# Altium PCB fastic-readout.PcbDoc (part 5 of 6) (continued)
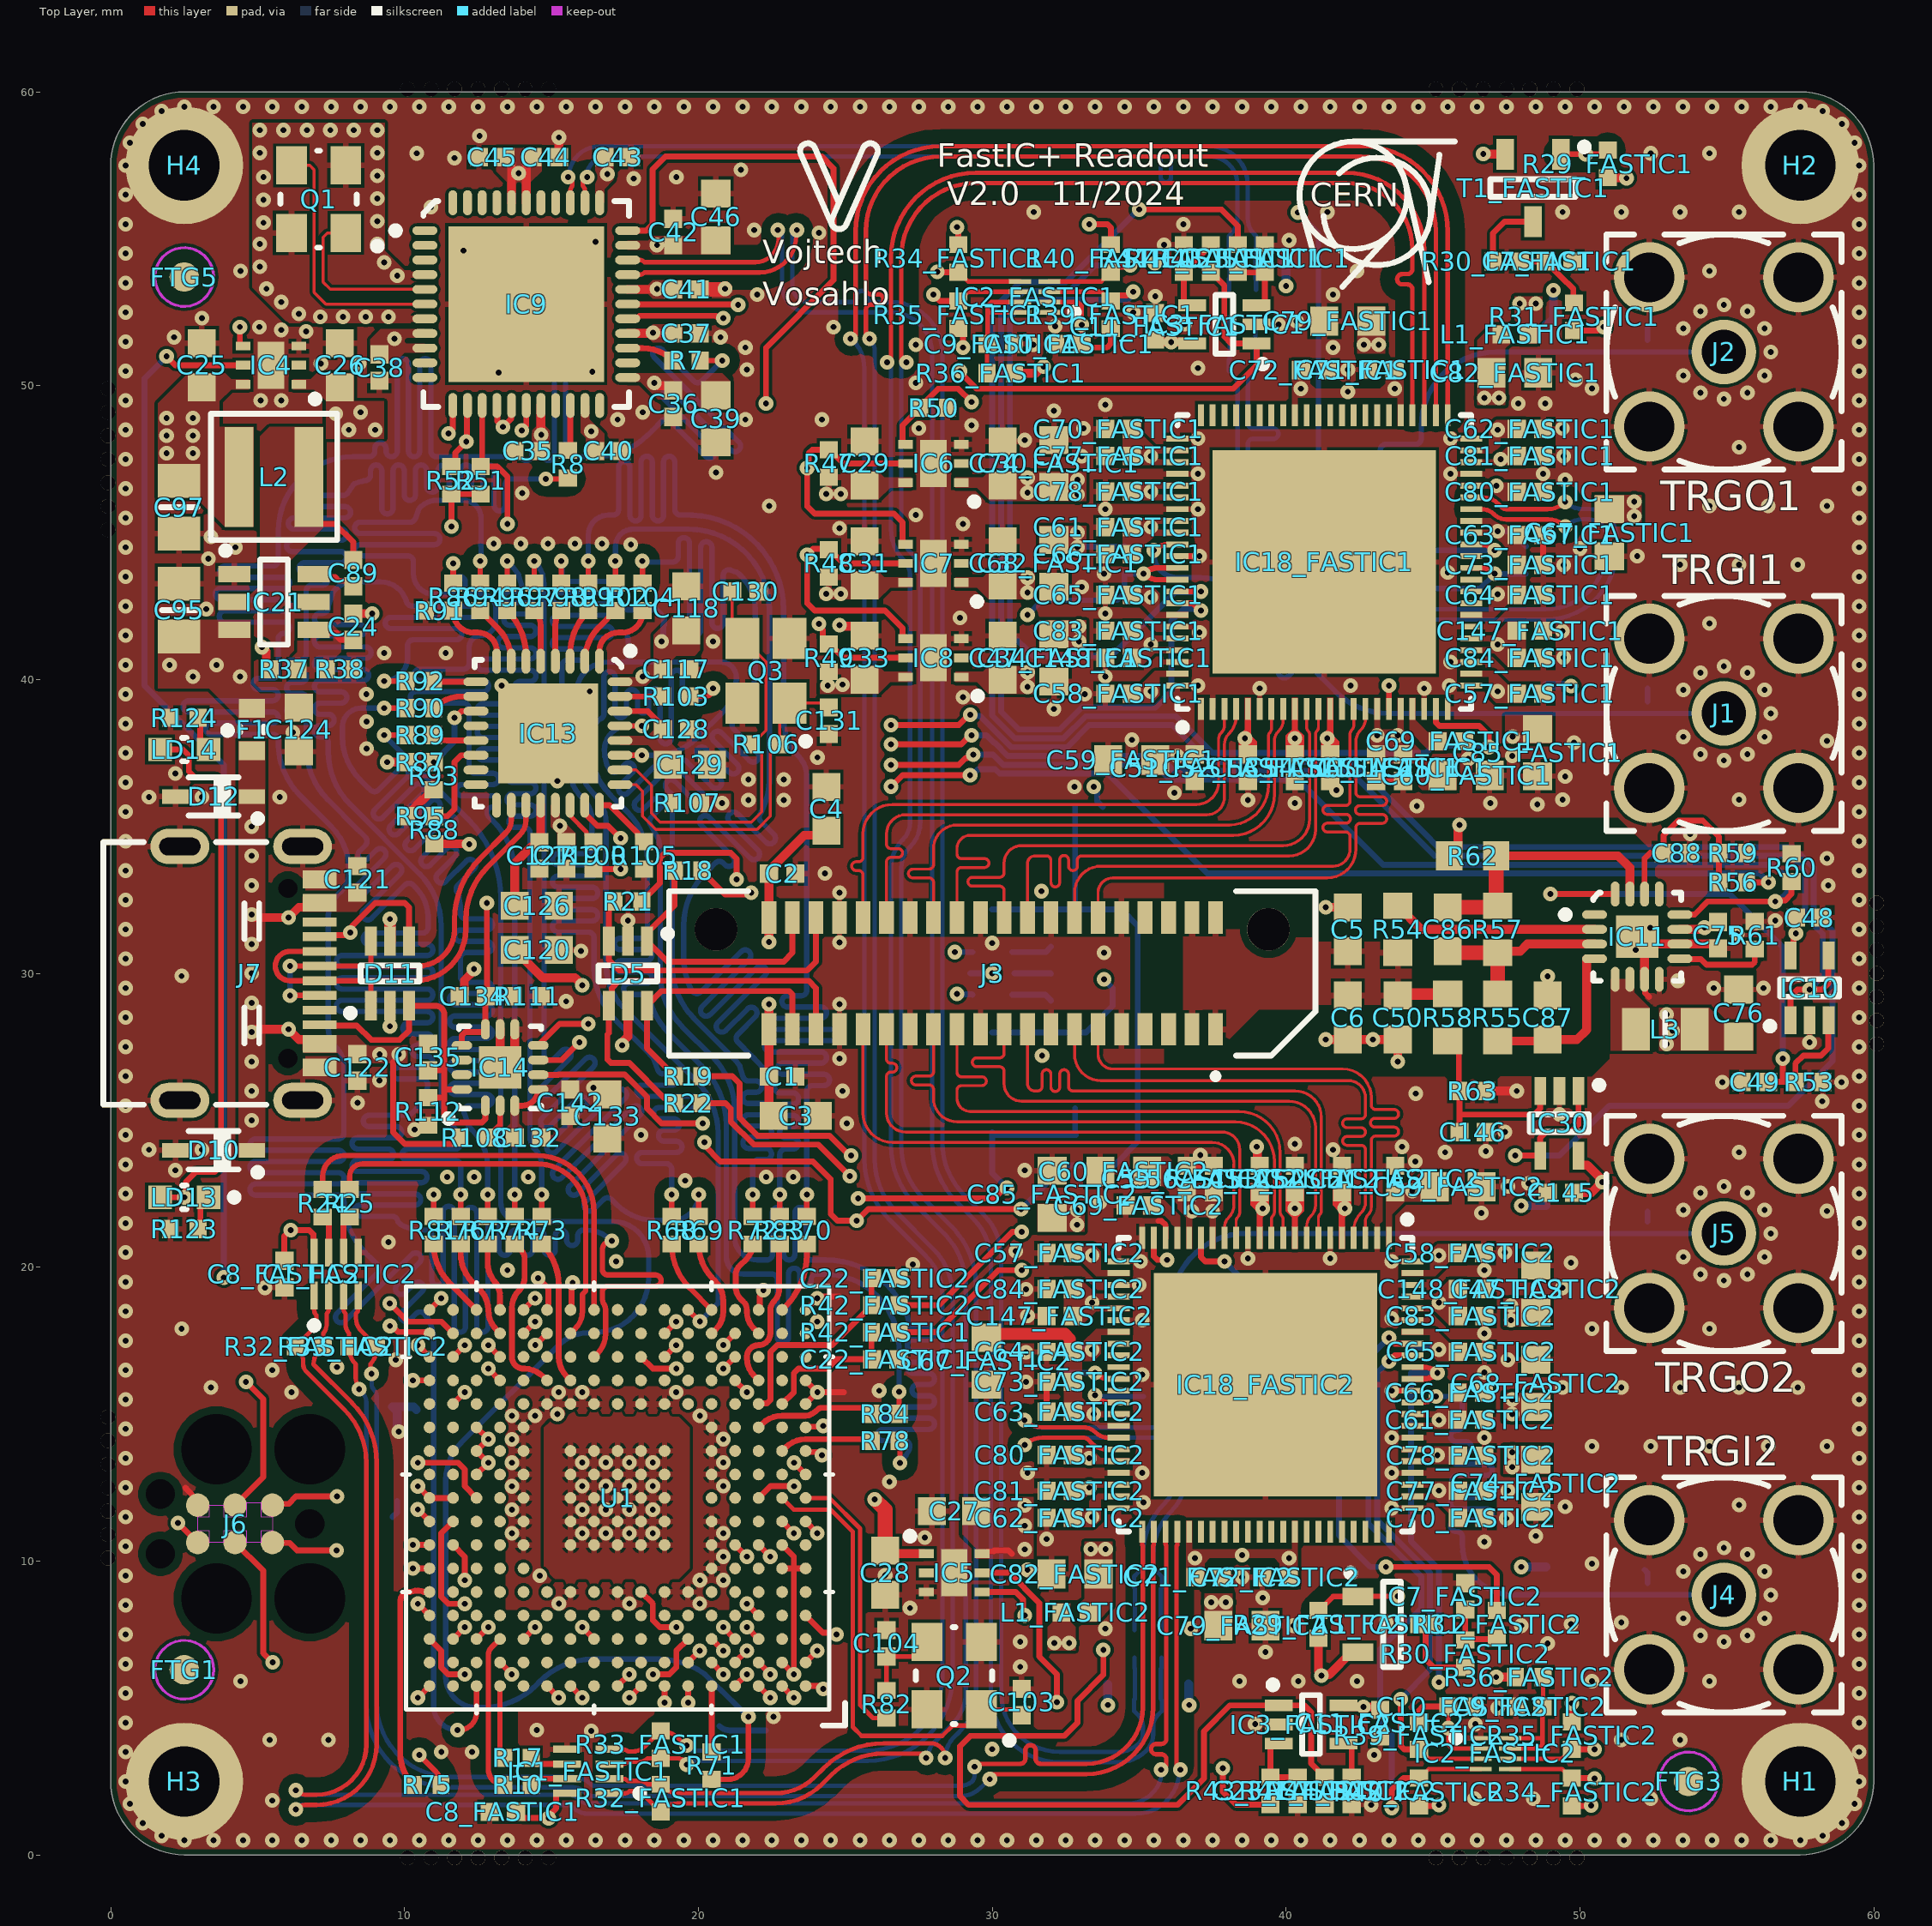
[diagram p0: Top Layer view]
## Polygon pours and split planes (outlines as drawn) (continued)
VBUS on Top Layer "VBUS_L01_P203" (solid, pour order 203): 8.08,26.94 10.1,26.94 10.1,27.56 8.7,27.56 8.36,27.9 6.53,27.9 6.53,27.3 7.72,27.3
+1V8 on Top Layer "+1V8_L01_P113" (solid, pour order 113): 16.17,47.47 16.17,48.22 15.99,48.4 15.99,49.33 16.29,49.33 16.29,48.87 16.79,48.37 16.79,47.47
+5V on Top Layer "+5V_L01_P116" (solid, pour order 116): 28.975,12.175 31.4,12.175 31.4,10.075 29.455,10.075 29.455,10.425 28.975,10.905
GND on Top Layer "GND_L01_P140" (solid, pour order 140): 15.108,14.908 19.342,14.908 19.708,14.542 19.708,9.758 19.338,9.388 15.112,9.388 14.738,9.762 14.738,14.538
+1V8 on Top Layer "+1V8_L01_P123" (solid, pour order 123): 7.325,49.475 7.325,48.2 9.3,48.2 9.3,49.475 8.275,49.475 8.275,50.425 7,50.425 6.8,50.225 6.2,50.225 6.2,49.875 6.925,49.875
+1V8 on Top Layer "+1V8_L01_P126" (solid, pour order 126): 16.49,56.23 16.49,58.09 17.11,58.09 17.11,57.01 16.79,56.69 16.79,56.23
+1V2A on Top Layer "+1V2A_L01_P315" (solid, pour order 315): 36.93,22.24 36.814,22.124 36.31,22.124 36.025,22.409 36.025,22.56 35.825,22.76 34.8,22.76 34.8,23.76 35.982,23.76 36.096,23.646 36.096,22.954 36.19,22.86 36.93,22.86
+3V3 on Top Layer "+3V3_L01_P129" (solid, pour order 129): 17.33,40.075 17.895,40.075 18.48,40.66 18.48,41.525 19.105,42.15 20.055,42.15 20.055,40.995 19.87,40.81 19.25,40.81 19.1,40.66 19.1,40.04 18.48,40.04 18.215,39.775 17.33,39.775
+3V3 on Top Layer "+3V3_L01_P130" (solid, pour order 130): 24.13,46.13 24.13,47.175 25.08,47.175 25.175,47.08 26.125,47.08 26.325,46.88 27.25,46.88 27.25,46.53 26.525,46.53 26.125,46.13
+3V3 on Top Layer "+3V3_L01_P127" (solid, pour order 127): 24.13,42.73 24.13,43.775 25.08,43.775 25.175,43.68 26.125,43.68 26.325,43.48 27.25,43.48 27.25,43.13 26.525,43.13 26.125,42.73
+5V on Top Layer "+5V_L01_P143" (solid, pour order 143): 54.4,28.825 54.9,28.325 55.9,28.325 55.9,27.375 52.695,27.375 52.695,28.825
NetIC11_5,6 on Top Layer "NETIC11_5,6_L01_P139" (solid, pour order 139): 51.05,29.8 51.85,29.8 51.85,29.35 52.375,28.825 52.375,27.375 51.05,27.375
+3V3 on Top Layer "+3V3_L01_P321" (solid, pour order 321): 10.69,51.13 9.99,51.13 9.62,50.76 8.83,50.76 8.83,51.58 9.18,51.93 10.69,51.93 10.69,51.63 10.09,51.63 ccw(c10.09,51.53) 9.99,51.53 ccw(c10.09,51.53) 10.09,51.43 10.69,51.43
+3V3 on Top Layer "+3V3_L01_P147" (solid, pour order 147): 17.59,50.13 18.02,50.13 18.62,49.53 19.76,49.53 20.09,49.2 21.09,49.2 21.09,50.15 20.81,50.43 17.59,50.43
+3V3 on Top Layer "+3V3_L01_P320" (solid, pour order 320): 24.13,39.515 24.13,40.56 25.08,40.56 25.175,40.465 26.125,40.465 26.325,40.265 27.25,40.265 27.25,39.915 26.525,39.915 26.125,39.515
+1V2A on Top Layer "+1V2A_L01_P319" (solid, pour order 319): 31.45,40.465 31.45,39.515 29.875,39.515 29.475,39.915 28.75,39.915 28.75,40.265 29.675,40.265 29.875,40.465
+1V2D on Top Layer "+1V2D_L01_P317" (solid, pour order 317): 33.2,47.08 33.2,46.08 29.925,46.08 29.475,46.53 28.75,46.53 28.75,46.88 29.675,46.88 29.875,47.08
+1V2T on Top Layer "+1V2T_L01_P156" (solid, pour order 156): 31.45,43.68 31.45,42.73 29.875,42.73 29.475,43.13 28.75,43.13 28.75,43.48 29.675,43.48 29.875,43.68
+3V3 on Top Layer "+3V3_L01_P142" (solid, pour order 142): 21.048,15.948 21.048,8.348 13.448,8.348 13.448,15.948
NetIC9_4 on Top Layer "NETIC9_4_L01_P157" (solid, remove dead copper, pour order 157): 9.323,54.6 9.993,53.93 10.69,53.93 10.69,52.13 6.043,52.13 4.823,53.35 4.823,58.95 9.323,58.95
+3V3 on Top Layer "+3V3_L01_P159" (solid, pour order 159): 17.59,51.63 18.29,51.63 18.45,51.47 19.45,51.47 19.45,52.09 18.45,52.09 18.29,51.93 17.59,51.93
+1V2D on Top Layer "+1V2D_L01_P264" (solid, pour order 264): 46.899,45.3 cw(c46.9,45.2) 47,45.2 cw(c46.9,45.2) 46.9,45.1 45.925,45.1 45.925,44.9 47.07,44.9 47.54,44.43 47.54,42.57 48.16,42.57 48.16,45.23 47.54,45.23 47.27,45.5 45.925,45.5 45.925,45.3
NetC80_FASTIC1_1 on Top Layer "NETC80_FASTIC1_1_L01_P225" (solid, pour order 225): 45.925,46.7 45.925,46.5 46.9,46.5 47.32,46.08 48.16,46.08 48.16,46.7
+1V2D on Top Layer "+1V2D_L01_P239" (solid, pour order 239): 44.9,14.7 ccw(c44.9,14.8) 45,14.8 ccw(c44.9,14.8) 44.9,14.9 43.925,14.9 43.925,15.1 45.07,15.1 45.54,15.57 45.54,16.04 46.16,16.04 46.16,15.57 46.16,14.5 44.497,14.5 43.925,14.5 43.925,14.7
+1V2D on Top Layer "+1V2D_L01_P265" (solid, pour order 265): 35.7,45.3 ccw(c35.7,45.2) 35.6,45.2 ccw(c35.7,45.2) 35.7,45.1 36.675,45.1 36.675,44.9 35.53,44.9 35.06,44.43 35.06,43.96 34.44,43.96 34.44,44.43 34.44,45.5 36.102,45.5 36.675,45.5 36.675,45.3
NetC128_2 on Top Layer "NETC128_2_L01_P206" (solid, pour order 206): 18.48,37.016 18.85,36.646 18.85,35.49 19.43,35.49 19.43,37.47 19.1,37.8 19.1,38.62 18.48,38.62 18.48,38.28 18.275,38.075 17.33,38.075 17.33,37.775 18.28,37.775 18.48,37.575
+5V on Top Layer "+5V_L01_P160" (solid, pour order 160): 14.98,35.725 14.98,34.992 15.197,34.775 15.197,34.155 15.817,34.155 15.817,34.775 15.28,35.312 15.28,35.725
+1V2T on Top Layer "+1V2T_L01_P316" (solid, pour order 316): 33.14,21.21 31.54,21.21 31.54,22.16 33.14,22.16
NetC80_FASTIC2_1 on Top Layer "NETC80_FASTIC2_1_L01_P161" (solid, pour order 161): 33.575,7.94 34.09,8.455 34.09,10.66 33.14,10.66 33.14,8.725 32.975,8.56 32.975,7.94
+1V2T on Top Layer "+1V2T_L01_P162" (solid, pour order 162): 32.655,8.56 32.655,7.94 32.83,7.765 32.83,6.96 31.88,6.96 31.88,7.765 32.055,7.94 32.055,8.56
+1V2T on Top Layer "+1V2T_L01_P163" (solid, pour order 163): 47.945,51.44 47.945,52.06 47.77,52.235 47.77,53.04 48.72,53.04 48.72,52.235 48.545,52.06 48.545,51.44
+1V2D on Top Layer "+1V2D_L01_P165" (solid, pour order 165): 52.1,45.325 50.5,45.325 50.5,46.275 52.1,46.275
NetC80_FASTIC1_1 on Top Layer "NETC80_FASTIC1_1_L01_P164" (solid, pour order 164): 47.025,52.06 46.51,51.545 46.51,49.34 47.46,49.34 47.46,51.275 47.625,51.44 47.625,52.06
+1V2T on Top Layer "+1V2T_L01_P166" (solid, pour order 166): 47.46,38.79 49.06,38.79 49.06,37.84 47.46,37.84
+5V on Top Layer "+5V_L01_P170" (solid, pour order 170): 6.875,38.575 4.35,38.575 4.35,39.525 6.875,39.525
+5V on Top Layer "+5V_L01_P171" (solid, pour order 171): 3.35,39.7 4.35,38.7 5.25,38.7 5.25,39.35 4.755,39.845 4.755,40.87 4.755,42.04 1.6,42.04 1.6,39.7
+3V3 on Top Layer "+3V3_L01_P199" (solid, pour order 199): 1.6,46.19 1.6,49.4 2.625,50.425 3.9,50.425 4.1,50.225 4.7,50.225 4.7,49.875 4.1,49.875 3.7,49.475 3.7,48.6 4.86,48.6 4.86,45.2 3.88,45.2 2.89,46.19
NetC89_2 on Top Layer "NETC89_2_L01_P228" (solid, pour order 228): 5.085,44.085 5.085,48.285 5.4,48.6 7.23,48.6 7.23,45.165 6.03,43.965 6.03,42.64 5.755,42.365 3.655,42.365 3.655,42.915 4.78,42.915 5.08,43.215 5.08,44.08
VBUS on Top Layer "VBUS_L01_P202" (solid, pour order 202): 4.35,37.9 5.25,37.9 5.25,23.73 4.35,23.73
VBUS on Top Layer "VBUS_L01_P204" (solid, pour order 204): 8.08,33.06 8.7,33.06 8.7,32.44 8.36,32.1 6.53,32.1 6.53,32.7 7.72,32.7
+1V8 on Top Layer "+1V8_L01_P205" (solid, pour order 205): 19.79,36.11 21.1,36.11 21.1,35.49 19.79,35.49
+1V2A on Top Layer "+1V2A_L01_P208" (solid, pour order 208): 44.58,23.24 45.53,23.24 45.53,22.24 43.4,22.24 43.4,22.86 44.2,22.86
+1V2A on Top Layer "+1V2A_L01_P311" (solid, pour order 311): 36.02,36.76 35.07,36.76 35.07,37.76 37.2,37.76 37.2,37.14 36.4,37.14
+1V2A on Top Layer "+1V2A_L01_P207" (solid, pour order 207): 43.4,20.625 43.6,20.625 43.6,21.8 44.02,22.22 44.02,22.86 43.4,22.86
NetC69_FASTIC1_1 on Top Layer "NETC69_FASTIC1_1_L01_P211" (solid, pour order 211): 44.2,39.375 44.2,38.254 44.864,37.59 45.47,37.59 45.47,38.21 44.815,38.21 44.4,38.625 44.4,39.375
+3V3 on Top Layer "+3V3_L01_P146" (solid, pour order 146): 14.49,49.33 14.49,48.63 14.33,48.47 14.33,47.47 14.95,47.47 14.95,48.47 14.79,48.63 14.79,49.33
+1V8 on Top Layer "+1V8_L01_P218" (solid, pour order 218): 17.59,53.13 18.29,53.13 18.45,52.97 19.45,52.97 19.45,53.59 18.45,53.59 18.29,53.43 17.59,53.43
+1V8 on Top Layer "+1V8_L01_P220" (solid, pour order 220): 21.09,54.47 21.09,55.42 19.93,55.42 19.6,55.09 18.45,55.09 18.29,54.93 17.59,54.93 17.59,54.63 18.29,54.63 18.45,54.47
+1V8 on Top Layer "+1V8_L01_P221" (solid, pour order 221): 13.49,56.23 13.49,56.93 13.12,57.3 13.12,58.09 14.66,58.09 14.66,57.3 14.29,56.93 14.29,56.23 13.99,56.23 13.99,56.83 ccw(c13.89,56.83) 13.89,56.93 ccw(c13.89,56.83) 13.79,56.83 13.79,56.23
+3V3 on Top Layer "+3V3_L01_P096" (solid, pour order 96): 15.325,26.36 17.375,26.36 17.375,25.41 16.425,25.41 16.095,25.74 15.325,25.74 15.165,25.9 14.55,25.9 14.55,26.2 15.165,26.2
+3V3 on Top Layer "+3V3_L01_P095" (solid, pour order 95): 13.6,25.5 13.6,24.885 13.44,24.725 13.44,24.105 14.06,24.105 14.06,24.725 13.9,24.885 13.9,25.5
NetC69_FASTIC2_1 on Top Layer "NETC69_FASTIC2_1_L01_P210" (solid, pour order 210): 36.4,20.625 36.4,21.746 35.736,22.41 35.13,22.41 35.13,21.79 35.785,21.79 36.2,21.375 36.2,20.625
+1V2A on Top Layer "+1V2A_L01_P310" (solid, pour order 310): 43.67,37.76 43.786,37.876 44.29,37.876 44.575,37.591 44.575,37.44 44.775,37.24 45.8,37.24 45.8,36.24 44.618,36.24 44.504,36.354 44.504,37.046 44.41,37.14 43.67,37.14
+1V2A on Top Layer "+1V2A_L01_P229" (solid, pour order 229): 33.06,20.17 32.44,20.17 32.44,20.79 33.45,20.79 33.7,20.54 33.7,19.9 34.675,19.9 34.675,19.7 33.53,19.7
+1V2D on Top Layer "+1V2D_L01_P231" (solid, pour order 231): 33.06,17.43 32.44,17.43 32.44,16.81 33.45,16.81 33.7,17.06 33.7,17.7 34.675,17.7 34.675,17.9 33.53,17.9
+1V2D on Top Layer "+1V2D_L01_P232" (solid, pour order 232): 33.55,12.3 33.3,12.05 33.3,11.78 32.44,11.78 32.44,11.16 33.45,11.16 33.7,11.41 33.7,12.1 34.675,12.1 34.675,12.3
+1V2T on Top Layer "+1V2T_L01_P233" (solid, pour order 233): 33.7,18.7 cw(c33.7,18.8) 33.6,18.8 cw(c33.7,18.8) 33.7,18.9 34.675,18.9 34.675,19.1 33.53,19.1 33.06,19.57 32.44,19.57 32.44,18.03 33.06,18.03 33.53,18.5 34.675,18.5 34.675,18.7
NetC80_FASTIC1_1 on Top Layer "NETC80_FASTIC1_1_L01_P224" (solid, pour order 224): 45.925,47.3 45.925,47.5 47.1,47.5 47.52,47.92 48.16,47.92 48.16,47.3
+1V2D on Top Layer "+1V2D_L01_P241" (solid, pour order 241): 44.9,13.5 ccw(c44.9,13.6) 45,13.6 ccw(c44.9,13.6) 44.9,13.7 43.925,13.7 43.925,13.9 46.16,13.9 46.16,13.3 43.925,13.3 43.925,13.5
+1V2A on Top Layer "+1V2A_L01_P242" (solid, pour order 242): 45.54,20.17 46.16,20.17 46.16,20.79 45.15,20.79 44.9,20.54 44.9,19.9 43.925,19.9 43.925,19.7 45.07,19.7
+1V2D on Top Layer "+1V2D_L01_P244" (solid, pour order 244): 45.54,17.43 46.16,17.43 46.16,16.81 45.15,16.81 44.9,17.06 44.9,17.7 43.925,17.7 43.925,17.9 45.07,17.9
+1V2A on Top Layer "+1V2A_L01_P246" (solid, pour order 246): 37.3,21.7 cw(c37.3,21.6) 37.4,21.6 37.4,20.625 37.6,20.625 37.6,21.7 37.85,21.95 37.85,22.86 36.31,22.86 36.31,21.99 36.6,21.7 36.6,20.625 36.8,20.625 36.8,21.375 36.8,21.599 cw(c36.9,21.6) 36.9,21.7
+1V2T on Top Layer "+1V2T_L01_P249" (solid, pour order 249): 44.9,18.9 cw(c44.9,18.8) 45,18.8 cw(c44.9,18.8) 44.9,18.7 43.925,18.7 43.925,18.5 45.07,18.5 45.54,18.03 46.16,18.03 46.16,19.57 45.54,19.57 45.07,19.1 43.925,19.1 43.925,18.9
+1V2D on Top Layer "+1V2D_L01_P250" (solid, pour order 250): 44.9,12.5 cw(c44.9,12.4) 45,12.4 cw(c44.9,12.4) 44.9,12.3 43.925,12.3 43.925,12.1 45.07,12.1 45.54,11.63 45.54,11.16 46.16,11.16 46.16,11.63 46.16,12.7 44.497,12.7 43.925,12.7 43.925,12.5
+1V2A on Top Layer "+1V2A_L01_P253" (solid, pour order 253): 47.54,39.83 48.16,39.83 48.16,39.21 47.15,39.21 46.9,39.46 46.9,40.1 45.925,40.1 45.925,40.3 47.07,40.3
+1V2T on Top Layer "+1V2T_L01_P255" (solid, pour order 255): 33.2,41.065 31.6,41.065 31.6,42.015 33.2,42.015
+1V2D on Top Layer "+1V2D_L01_P256" (solid, pour order 256): 33.2,44.28 31.6,44.28 31.6,45.23 33.2,45.23
+1V2D on Top Layer "+1V2D_L01_P257" (solid, pour order 257): 33.2,46.08 31.6,46.08 31.6,47.03 33.2,47.03
+1V2D on Top Layer "+1V2D_L01_P258" (solid, pour order 258): 47.54,42.57 48.16,42.57 48.16,43.19 47.15,43.19 46.9,42.94 46.9,42.3 45.925,42.3 45.925,42.1 47.07,42.1
+1V2A on Top Layer "+1V2A_L01_P259" (solid, pour order 259): 37.2,39.375 37,39.375 37,38.2 36.58,37.78 36.58,37.14 37.2,37.14
+1V2D on Top Layer "+1V2D_L01_P260" (solid, pour order 260): 47.05,47.7 47.3,47.95 47.3,48.22 48.16,48.22 48.16,48.84 47.15,48.84 46.9,48.59 46.9,47.9 45.925,47.9 45.925,47.7
+1V2T on Top Layer "+1V2T_L01_P261" (solid, pour order 261): 46.9,41.3 cw(c46.9,41.2) 47,41.2 cw(c46.9,41.2) 46.9,41.1 45.925,41.1 45.925,40.9 47.07,40.9 47.54,40.43 48.16,40.43 48.16,41.97 47.54,41.97 47.07,41.5 45.925,41.5 45.925,41.3
+1V2D on Top Layer "+1V2D_L01_P266" (solid, pour order 266): 35.7,46.5 ccw(c35.7,46.4) 35.6,46.4 ccw(c35.7,46.4) 35.7,46.3 36.675,46.3 36.675,46.1 34.44,46.1 34.44,46.7 36.675,46.7 36.675,46.5
+1V2A on Top Layer "+1V2A_L01_P271" (solid, pour order 271): 35.06,39.83 34.44,39.83 34.44,39.21 35.45,39.21 35.7,39.46 35.7,40.1 36.675,40.1 36.675,40.3 35.53,40.3
+1V2D on Top Layer "+1V2D_L01_P275" (solid, pour order 275): 35.06,42.57 34.44,42.57 34.44,43.19 35.45,43.19 35.7,42.94 35.7,42.3 36.675,42.3 36.675,42.1 35.53,42.1
+1V2A on Top Layer "+1V2A_L01_P276" (solid, pour order 276): 43.3,38.3 cw(c43.3,38.4) 43.2,38.4 43.2,39.375 43,39.375 43,38.3 42.75,38.05 42.75,37.14 44.29,37.14 44.29,38.01 44,38.3 44,39.375 43.8,39.375 43.8,38.625 43.8,38.401 cw(c43.7,38.4) 43.7,38.3
+1V2T on Top Layer "+1V2T_L01_P277" (solid, pour order 277): 35.7,41.1 cw(c35.7,41.2) 35.6,41.2 cw(c35.7,41.2) 35.7,41.3 36.675,41.3 36.675,41.5 35.53,41.5 35.06,41.97 34.44,41.97 34.44,40.43 35.06,40.43 35.53,40.9 36.675,40.9 36.675,41.1
+1V2D on Top Layer "+1V2D_L01_P280" (solid, pour order 280): 35.7,47.5 cw(c35.7,47.6) 35.6,47.6 cw(c35.7,47.6) 35.7,47.7 36.675,47.7 36.675,47.9 35.53,47.9 35.06,48.37 35.06,48.84 34.44,48.84 34.44,48.37 34.44,47.3 36.102,47.3 36.675,47.3 36.675,47.5
+1V2D on Top Layer "+1V2D_L01_P300" (solid, pour order 300): 37.22,9.14 37.22,9.92 37.4,10.1 39.6,10.1 39.78,9.92 39.78,9.14 40.4,9.14 40.4,11.375 40.2,11.375 40.2,10.4 36.8,10.4 36.8,11.375 36.6,11.375 36.6,9.14
+1V2D on Top Layer "+1V2D_L01_P302" (solid, pour order 302): 43.38,50.86 43.38,50.08 43.2,49.9 41,49.9 40.82,50.08 40.82,50.86 40.2,50.86 40.2,48.625 40.4,48.625 40.4,49.6 43.8,49.6 43.8,48.625 44,48.625 44,50.86
+1V2D on Top Layer "+1V2D_L01_P304" (solid, pour order 304): 43.375,52.7 43.375,51.1 42.425,51.1 42.425,52.7
+1V2D on Top Layer "+1V2D_L01_P307" (solid, pour order 307): 37.225,7.3 37.225,8.9 38.175,8.9 38.175,7.3
+1V2T on Top Layer "+1V2T_L01_P312" (solid, pour order 312): 47.4,18.935 49,18.935 49,17.985 47.4,17.985
+1V2D on Top Layer "+1V2D_L01_P313" (solid, pour order 313): 47.4,15.72 49,15.72 49,14.77 47.4,14.77
+1V2D on Top Layer "+1V2D_L01_P314" (solid, pour order 314): 47.4,13.92 49,13.92 49,12.97 47.4,12.97
NetC24_1 on Top Layer "NETC24_1_L01_P226" (solid, pour order 226): 7.62,40.72 7.94,41.04 8.56,41.04 8.56,41.66 7.76,41.66 7.455,41.965 6.355,41.965 6.355,40.935 6.08,40.66 6.08,40.04 7.62,40.04
GND on Bottom Layer "GND_L08_P324" (solid, pour order 324): -10,70 70,70 70,-10 -10,-10
NetC80_FASTIC2_1 on Bottom Layer "NETC80_FASTIC2_1_L08_P292" (solid, pour order 292): 34.8,10.1 34.8,13.92 32.44,13.92 32.44,10.1
+3V3 on Bottom Layer "+3V3_L08_P263" (solid, pour order 263): 12.998,7.264 12.164,7.264 11.749,6.849 11.749,5.921 11.969,5.7 13,5.7 13,7.263
+3V3 on Bottom Layer "+3V3_L08_P294" (solid, pour order 294): 21.048,15.948 21.048,8.348 13.448,8.348 13.448,15.948
+3V3A on Bottom Layer "+3V3A_L08_P289" (solid, pour order 289): 25.317,13.388 25.646,13.059 25.646,12.063 24.696,12.063 24.696,11.113 26.039,11.113 26.356,11.429 26.356,13.339 25.687,14.008 23.799,14.008 23.799,13.388
GND on Bottom Layer "GND_L08_P285" (solid, pour order 285): 15.108,14.908 19.392,14.908 19.762,14.538 19.762,9.762 19.388,9.388 15.112,9.388 14.738,9.762 14.738,14.538
NetC94_2 on Bottom Layer "NETC94_2_L08_P283" (solid, pour order 283): 9.323,7.223 9.323,9.05 10.85,9.05 10.85,7.223
+3V3 on Bottom Layer "+3V3_L08_P268" (solid, pour order 268): 25.318,6.29 25.318,7.206 23.789,7.206 23.789,6.29
+3V3 on Bottom Layer "+3V3_L08_P267" (solid, pour order 267): 20.118,4.078 20.118,5.4 19.35,5.4 19.35,4.078
+3V3 on Bottom Layer "+3V3_L08_P269" (solid, pour order 269): 14.388,20.217 14.388,18.9 15.2,18.9 15.2,20.217
+3V3 on Bottom Layer "+3V3_L08_P279" (solid, pour order 279): 9.277,16.46 10.6,16.46 10.6,15.84 9.277,15.84
+3V3 on Bottom Layer "+3V3_L08_P282" (solid, pour order 282): 9.278,10.908 10.85,10.908 10.85,9.3 9.278,9.3
NetC94_2 on Bottom Layer "NETC94_2_L08_P299" (solid, pour order 299): 15.433,20.547 15.433,18.9 16.383,18.9 16.383,20.547
NetC94_2 on Bottom Layer "NETC94_2_L08_P286" (solid, pour order 286): 19.073,3.748 19.073,5.4 18.123,5.4 18.123,3.748
+3V3 on Bottom Layer "+3V3_L08_P298" (solid, pour order 298): 18.823,6.948 17.873,6.948 17.873,8.788 18.823,8.788
+3V3 on Bottom Layer "+3V3_L08_P297" (solid, pour order 297): 11.948,10.473 11.948,11.423 13.788,11.423 13.788,10.473
+3V3 on Bottom Layer "ems" (solid, pour order 296): 15.573,17.348 16.523,17.348 16.523,15.508 15.573,15.508
+3V3 on Bottom Layer "+3V3_L08_P295" (solid, pour order 295): 22.448,13.823 22.448,12.873 20.608,12.873 20.608,13.823
NetC99_1 on Bottom Layer "NETC99_1_L08_P290" (solid, pour order 290): 25.318,14.908 25.647,15.237 25.647,16.233 24.697,16.233 24.697,17.183 26.04,17.183 26.357,16.866 26.357,14.957 25.688,14.288 23.8,14.288 23.8,14.908
NetIC9_4 on Bottom Layer "NETIC9_4_L08_P291" (solid, remove dead copper, pour order 291): 9.323,54.6 9.993,53.93 10.69,53.93 10.69,52.13 6.043,52.13 4.823,53.35 4.823,58.95 9.323,58.95
NetC80_FASTIC1_1 on Bottom Layer "NETC80_FASTIC1_1_L08_P293" (solid, pour order 293): 45.8,49.9 45.8,46.08 48.16,46.08 48.16,49.9
GND on L05 - Signal "GND_L05_P323" (solid, pour order 323): -10,70 70,70 70,-10 -10,-10
+1V2A on L05 - Signal "+1V2A_L05_P272" (solid, pour order 272): 30,65 65,65 65,-5 30,-5
+5V on L04- Signal "+5V_L04_P318" (solid, pour order 318): -10,70 70,70 70,-10 -10,-10
+3V3 on L03-PWR (split plane): 57.695,59.482 57.889,59.454 58.078,59.406 58.262,59.34 58.439,59.257 58.607,59.156 58.764,59.04 58.908,58.908 59.04,58.764 59.156,58.607 59.257,58.439 59.34,58.262 59.406,58.078 59.454,57.889 59.482,57.695 59.491,57.516 59.49,57.5 59.49,2.5 59.491,2.484 59.482,2.305 59.454,2.111 59.406,1.922 59.34,1.738 59.257,1.561 59.156,1.393 59.04,1.236 58.908,1.092 58.764,0.96 58.607,0.844 58.439,0.743 58.262,0.66 58.078,0.594 57.889,0.546 57.695,0.518 57.516,0.509 57.5,0.51 2.5,0.51 2.484,0.509 2.305,0.518 2.111,0.546 1.922,0.594 1.738,0.66 1.561,0.743 1.393,0.844 1.236,0.96 1.092,1.092 0.96,1.236 0.844,1.393 0.743,1.561 0.66,1.738 0.594,1.922 0.546,2.111 0.518,2.305 0.509,2.484 0.51,2.5 0.51,57.5 0.509,57.516 0.518,57.695 0.546,57.889 0.594,58.078 0.66,58.262 0.743,58.439 0.844,58.607 0.96,58.764 1.092,58.908 1.236,59.04 1.393,59.156 1.561,59.257 1.738,59.34 1.922,59.406 2.111,59.454 2.305,59.482 2.484,59.491 2.5,59.49 57.5,59.49 57.516,59.491
+1V2T on L03-PWR (split plane): 49.898,6.702 30.102,6.702 30.102,26.783 31.417,28.098 33.892,28.098 33.931,28.106 33.964,28.128 34.772,28.936 34.794,28.969 34.802,29.008 34.802,36.3 34.794,36.339 34.772,36.372 33.872,37.272 33.839,37.294 33.8,37.302 31.706,37.302 30.102,38.906 30.102,48.758 31.242,49.898 37.729,49.898 37.768,49.906 37.801,49.928 41.221,53.348 49.898,53.348
+1V2D on L06-PWR (split plane): 57.695,59.482 57.889,59.454 58.078,59.406 58.262,59.34 58.439,59.257 58.607,59.156 58.764,59.04 58.908,58.908 59.04,58.764 59.156,58.607 59.257,58.439 59.34,58.262 59.406,58.078 59.454,57.889 59.482,57.695 59.491,57.516 59.49,57.5 59.49,2.5 59.491,2.484 59.482,2.305 59.454,2.111 59.406,1.922 59.34,1.738 59.257,1.561 59.156,1.393 59.04,1.236 58.908,1.092 58.764,0.96 58.607,0.844 58.439,0.743 58.262,0.66 58.078,0.594 57.889,0.546 57.695,0.518 57.516,0.509 57.5,0.51 2.5,0.51 2.484,0.509 2.305,0.518 2.111,0.546 1.922,0.594 1.738,0.66 1.561,0.743 1.393,0.844 1.236,0.96 1.092,1.092 0.96,1.236 0.844,1.393 0.743,1.561 0.66,1.738 0.594,1.922 0.546,2.111 0.518,2.305 0.509,2.484 0.51,2.5 0.51,20.765 8.867,20.765 8.906,20.772 8.939,20.794 22.072,33.928 24.072,35.928 24.094,35.961 24.102,36 24.102,59.49 57.5,59.49 57.516,59.491
VBUS on L06-PWR (split plane): 8.898,46.614 8.898,36 8.906,35.961 8.928,35.928 10.928,33.928 10.961,33.906 11,33.898 21.754,33.898 8.824,20.968 0.51,20.968 0.51,48.898 6.614,48.898
+1V8 on L06-PWR (split plane): 2.5,59.49 23.898,59.49 23.898,36.042 21.958,34.102 11.042,34.102 9.102,36.042 9.102,46.656 9.094,46.695 9.072,46.728 6.728,49.072 6.695,49.094 6.656,49.102 0.51,49.102 0.51,57.5 0.509,57.516 0.518,57.695 0.546,57.889 0.594,58.078 0.66,58.262 0.743,58.439 0.844,58.607 0.96,58.764 1.092,58.908 1.236,59.04 1.393,59.156 1.561,59.257 1.738,59.34 1.922,59.406 2.111,59.454 2.305,59.482 2.484,59.491
GND on L02-GND (split plane): 57.695,59.482 57.889,59.454 58.078,59.406 58.262,59.34 58.439,59.257 58.607,59.156 58.764,59.04 58.908,58.908 59.04,58.764 59.156,58.607 59.257,58.439 59.34,58.262 59.406,58.078 59.454,57.889 59.482,57.695 59.491,57.516 59.49,57.5 59.49,2.5 59.491,2.484 59.482,2.305 59.454,2.111 59.406,1.922 59.34,1.738 59.257,1.561 59.156,1.393 59.04,1.236 58.908,1.092 58.764,0.96 58.607,0.844 58.439,0.743 58.262,0.66 58.078,0.594 57.889,0.546 57.695,0.518 57.516,0.509 57.5,0.51 2.5,0.51 2.484,0.509 2.305,0.518 2.111,0.546 1.922,0.594 1.738,0.66 1.561,0.743 1.393,0.844 1.236,0.96 1.092,1.092 0.96,1.236 0.844,1.393 0.743,1.561 0.66,1.738 0.594,1.922 0.546,2.111 0.518,2.305 0.509,2.484 0.51,2.5 0.51,57.5 0.509,57.516 0.518,57.695 0.546,57.889 0.594,58.078 0.66,58.262 0.743,58.439 0.844,58.607 0.96,58.764 1.092,58.908 1.236,59.04 1.393,59.156 1.561,59.257 1.738,59.34 1.922,59.406 2.111,59.454 2.305,59.482 2.484,59.491 2.5,59.49 57.5,59.49 57.516,59.491
GND on L07-GND (split plane): 57.695,59.482 57.889,59.454 58.078,59.406 58.262,59.34 58.439,59.257 58.607,59.156 58.764,59.04 58.908,58.908 59.04,58.764 59.156,58.607 59.257,58.439 59.34,58.262 59.406,58.078 59.454,57.889 59.482,57.695 59.491,57.516 59.49,57.5 59.49,2.5 59.491,2.484 59.482,2.305 59.454,2.111 59.406,1.922 59.34,1.738 59.257,1.561 59.156,1.393 59.04,1.236 58.908,1.092 58.764,0.96 58.607,0.844 58.439,0.743 58.262,0.66 58.078,0.594 57.889,0.546 57.695,0.518 57.516,0.509 57.5,0.51 2.5,0.51 2.484,0.509 2.305,0.518 2.111,0.546 1.922,0.594 1.738,0.66 1.561,0.743 1.393,0.844 1.236,0.96 1.092,1.092 0.96,1.236 0.844,1.393 0.743,1.561 0.66,1.738 0.594,1.922 0.546,2.111 0.518,2.305 0.509,2.484 0.51,2.5 0.51,57.5 0.509,57.516 0.518,57.695 0.546,57.889 0.594,58.078 0.66,58.262 0.743,58.439 0.844,58.607 0.96,58.764 1.092,58.908 1.236,59.04 1.393,59.156 1.561,59.257 1.738,59.34 1.922,59.406 2.111,59.454 2.305,59.482 2.484,59.491 2.5,59.49 57.5,59.49 57.516,59.491

## Other copper
Top Layer:
  pour cut-out: 10.047,19.349 24.449,19.349 24.449,4.947 10.047,4.947 13.448,8.348 21.048,8.348 21.048,15.948 13.448,15.948 13.448,8.348 10.047,4.947
  pour cut-out: 34.7,32.5 36.3,32.5 36.3,27.5 34.7,27.5
  pour cut-out: 52.4,32.8 52.4,34.2 51.3,35.3 42.5,35.3 42.2,35 42.2,33.8 41.6,33.2 37.9,33.2 37.9,31.5 44.5,31.5 44.5,28.5 39.2,28.5 38.2,27.5 38.2,26.9 42.48,26.9 42.88,26.5 50.4,26.5 51,27.1 51,31.7 51.7,31.7 52.4,32.4
  region net +1V2A: 41.59,22.86 41.59,22.11 41.8,21.9 41.8,20.625 42,20.625 42,21.375 42,21.7 42.21,21.91 42.21,22.86
  region net +1V2A: 39.99,22.86 39.99,21.91 40.2,21.7 40.2,20.625 40.4,20.625 40.4,21.375 40.4,21.7 40.61,21.91 40.61,22.86
  region net +1V2A: 38.79,22.86 38.79,22.11 39,21.9 39,20.625 39.2,20.625 39.2,21.375 39.2,21.7 39.41,21.91 39.41,22.86
  region net +1V2A: 39.01,37.14 39.01,37.89 38.8,38.1 38.8,39.375 38.6,39.375 38.6,38.625 38.6,38.3 38.39,38.09 38.39,37.14
  region net +1V2A: 41.81,37.14 41.81,37.89 41.6,38.1 41.6,39.375 41.4,39.375 41.4,38.625 41.4,38.3 41.19,38.09 41.19,37.14
  region net +1V2A: 40.61,37.14 40.61,38.09 40.4,38.3 40.4,39.375 40.2,39.375 40.2,38.625 40.2,38.3 39.99,38.09 39.99,37.14
L03-PWR (plane layer: these items are gaps in the copper):
  lines w0.2: 30,6.6 30,26.825 31.375,28.2 33.892,28.2 34.7,29.008 34.7,36.3 33.8,37.2 31.663,37.2 30,38.863 30,48.8 31.2,50 37.729,50 41.179,53.45 50,53.45 50,6.6 30,6.6
L06-PWR (plane layer: these items are gaps in the copper):
  lines w0.2: -1,49 6.656,49 9,46.656 9,36 11,34 22,34 ; 0,20.867 7.867,20.867 8.867,20.867 22,34 ; 24,61 24,36 22,34

## Silkscreen, mask and mechanical layers (free items; w line width, h text height)
Top Overlay:
  drawing of 156 lines, arcs and shapes, not listed
  text "FastIC+ Readout" at 28.118,57.446 h0.8
  text "V2.0   11/2024" at 28.452,56.146 h0.8
  text "CERN" at 40.821,56.11 h0.8
  text "Vojtech" at 22.184,54.159 h0.8
  text "Vosahlo" at 22.184,52.726 h0.8
  text "TRGO1" at 52.734,45.75 h1
  text "TRGI1" at 52.817,43.25 h1
  text "TRGO2" at 52.567,15.75 h1
  text "TRGI2" at 52.651,13.25 h1
Bottom Overlay:
  text "RESET" at 27.333,33.376 h1
  text "BOOT0" at 27.333,25.787 h1
Top Solder:
  lines w1.6: 0,2.5 ccw(c2.5,2.5) 2.5,0 57.5,0 ccw(c57.5,2.5) 60,2.5 60,57.5 ccw(c57.5,57.5) 57.5,60 2.5,60 ccw(c2.5,57.5) 0,57.5 0,2.5
  lines w2: 0.009,3.56 2.5,3.56 cw(c2.5,2.5) 3.56,2.5 3.56,0.009 ; 0.009,56.44 2.5,56.44 ccw(c2.5,57.5) 3.56,57.5 3.56,59.991 ; 56.44,0.009 56.44,2.5 cw(c57.5,2.5) 57.5,3.56 59.991,3.56 ; 56.44,59.991 56.44,57.5 ccw(c57.5,57.5) 57.5,56.44 59.991,56.44
Bottom Solder:
  lines w1.6: 0,2.5 ccw(c2.5,2.5) 2.5,0 57.5,0 ccw(c57.5,2.5) 60,2.5 60,57.5 ccw(c57.5,57.5) 57.5,60 2.5,60 ccw(c2.5,57.5) 0,57.5 0,2.5
  lines w2: 0.009,3.56 2.5,3.56 cw(c2.5,2.5) 3.56,2.5 3.56,0.009 ; 0.009,56.44 2.5,56.44 ccw(c2.5,57.5) 3.56,57.5 3.56,59.991 ; 56.44,0.009 56.44,2.5 cw(c57.5,2.5) 57.5,3.56 59.991,3.56 ; 56.44,59.991 56.44,57.5 ccw(c57.5,57.5) 57.5,56.44 59.991,56.44
Mechanical 1:
  the board outline again, w0.2
Route Tool Path:
  lines w2: -1,9.6 -1,2.5 ccw(c2.5,2.5) 2.5,-1 9.6,-1 ; -1,15.4 -1,44.6 ; -1,50.4 -1,57.5 cw(c2.5,57.5) 2.5,61 9.6,61 ; 15.4,-1 44.6,-1 ; 15.4,61 44.6,61 ; 50.4,-1 57.5,-1 ccw(c57.5,2.5) 61,2.5 61,27.1 ; 50.4,61 57.5,61 cw(c57.5,57.5) 61,57.5 61,32.9